# Altium PCB SLAVE.PcbDoc
Units mm, origin at the board's own origin, x right, y up, seen from the top; angles counter-clockwise.
Board outline 65.41 x 68.71 mm, 2 copper layers (Top Layer, Bottom Layer); 53 components, 51 nets, 212 pads, 54 vias.
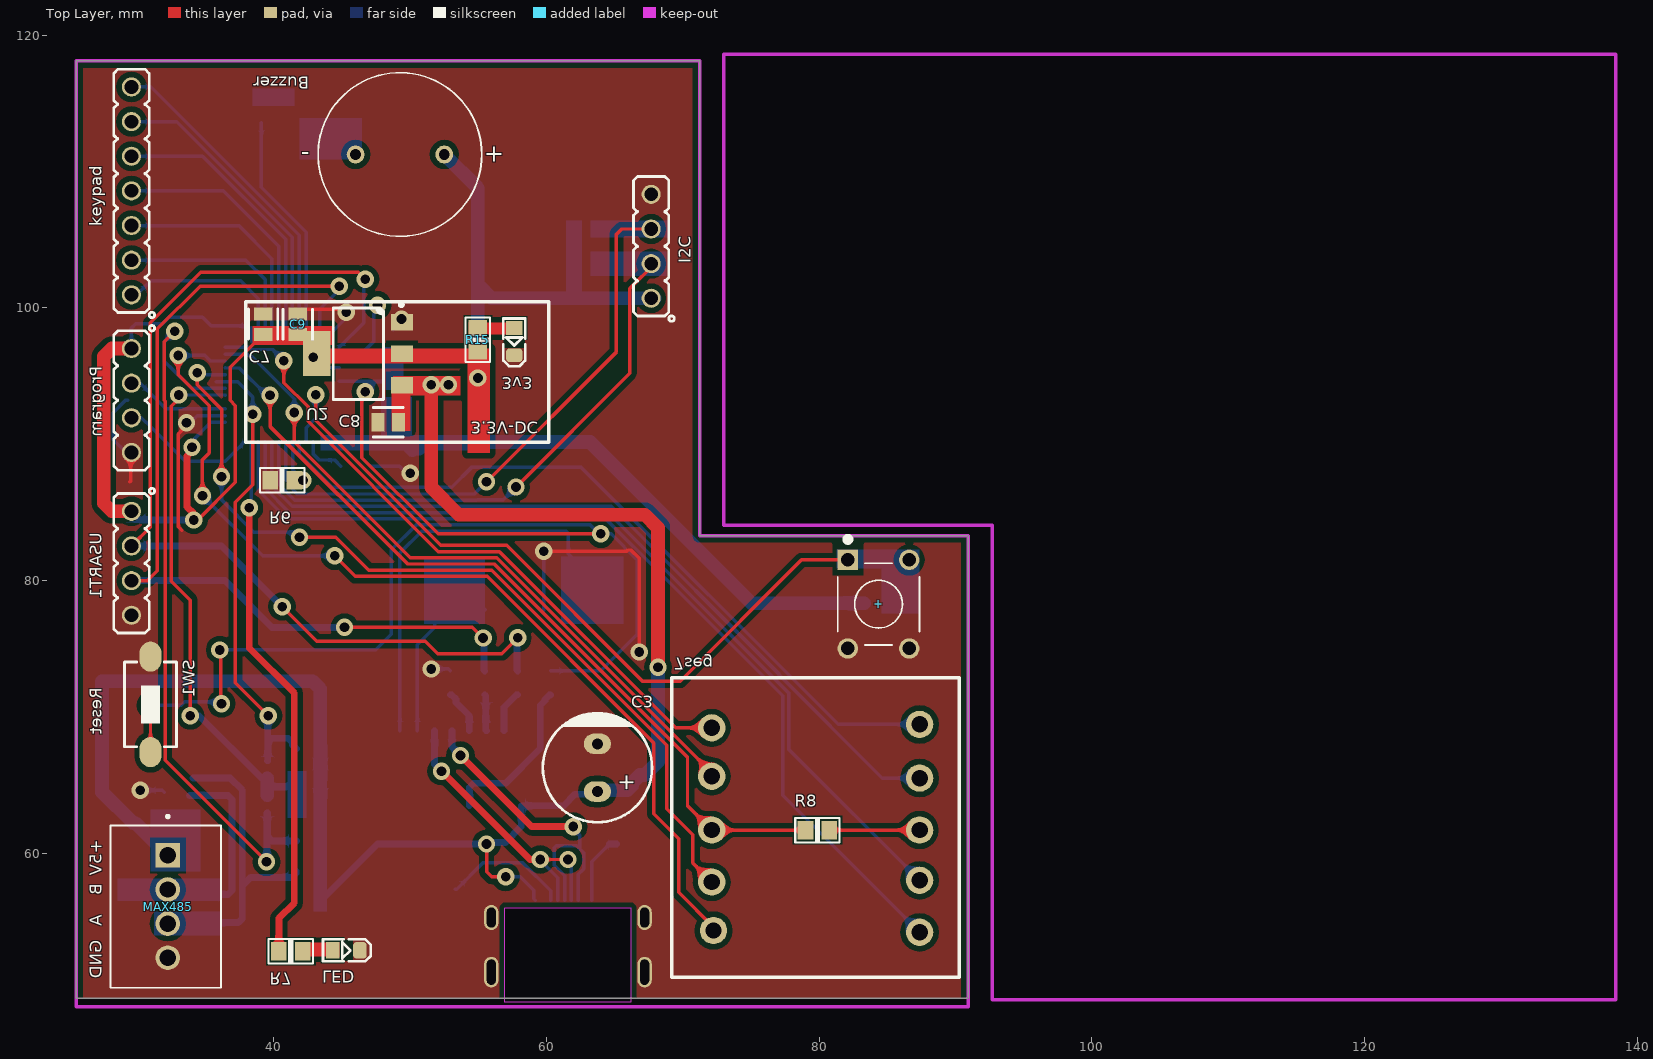
[diagram p0: Top Layer view]
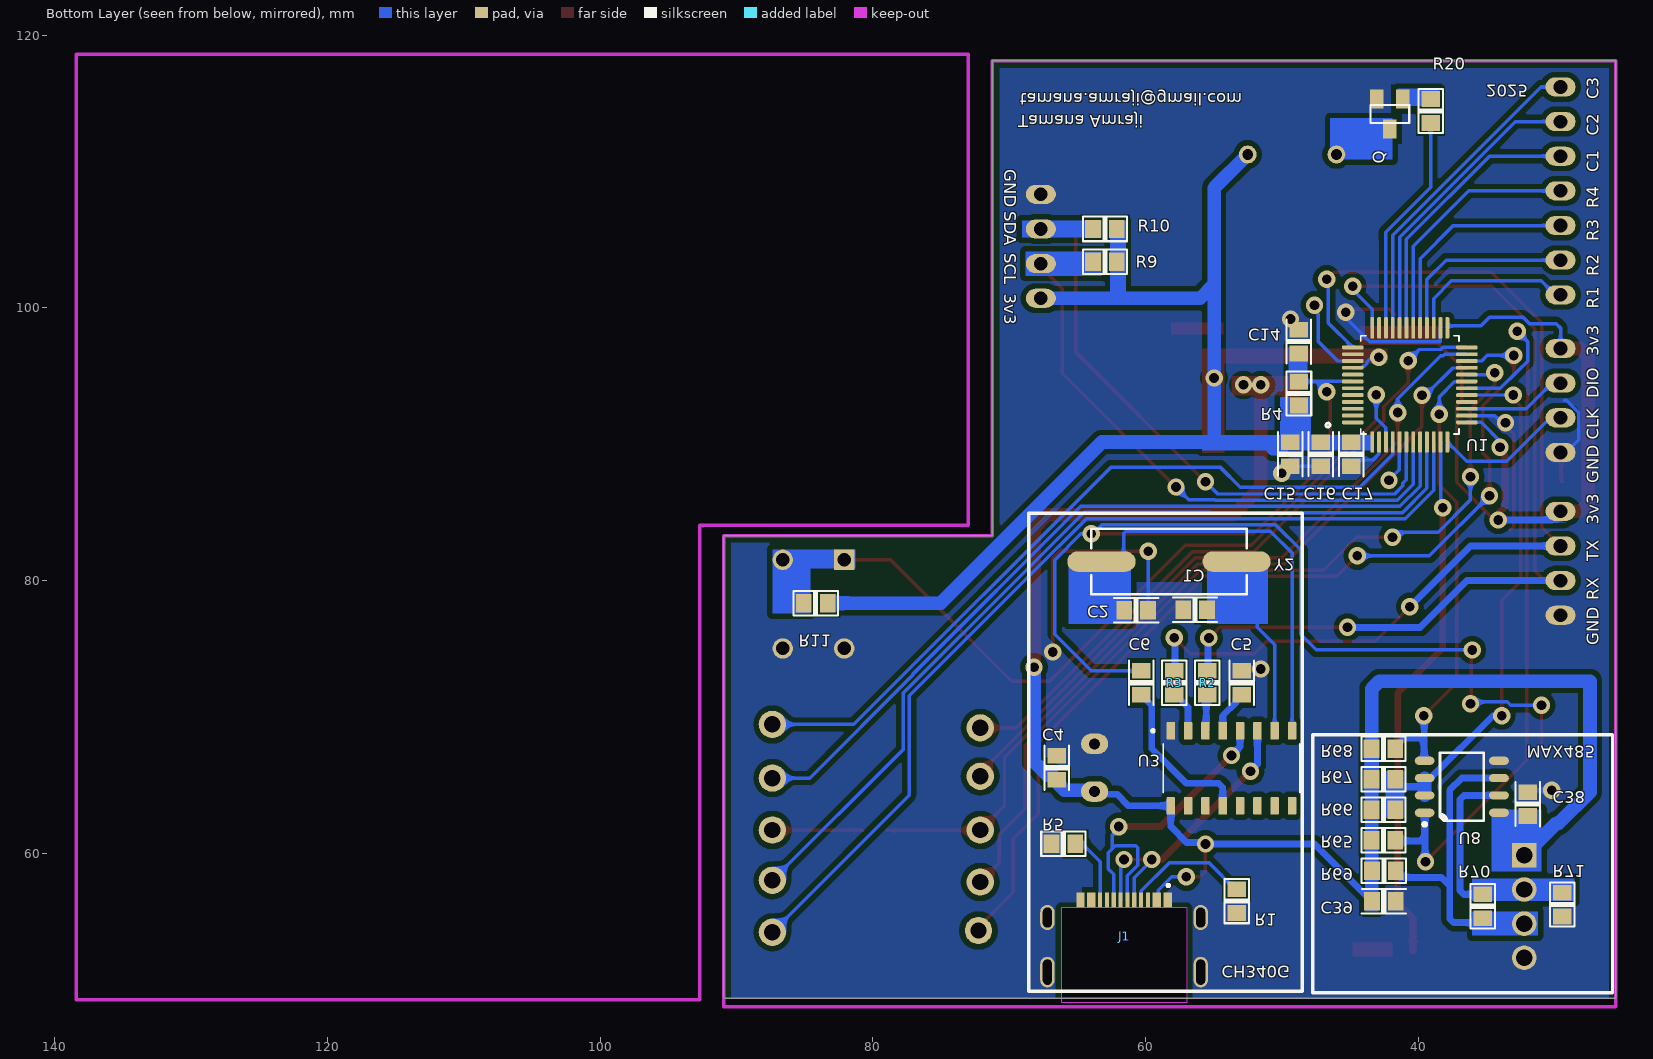
[diagram p1: Bottom Layer view, seen from below]
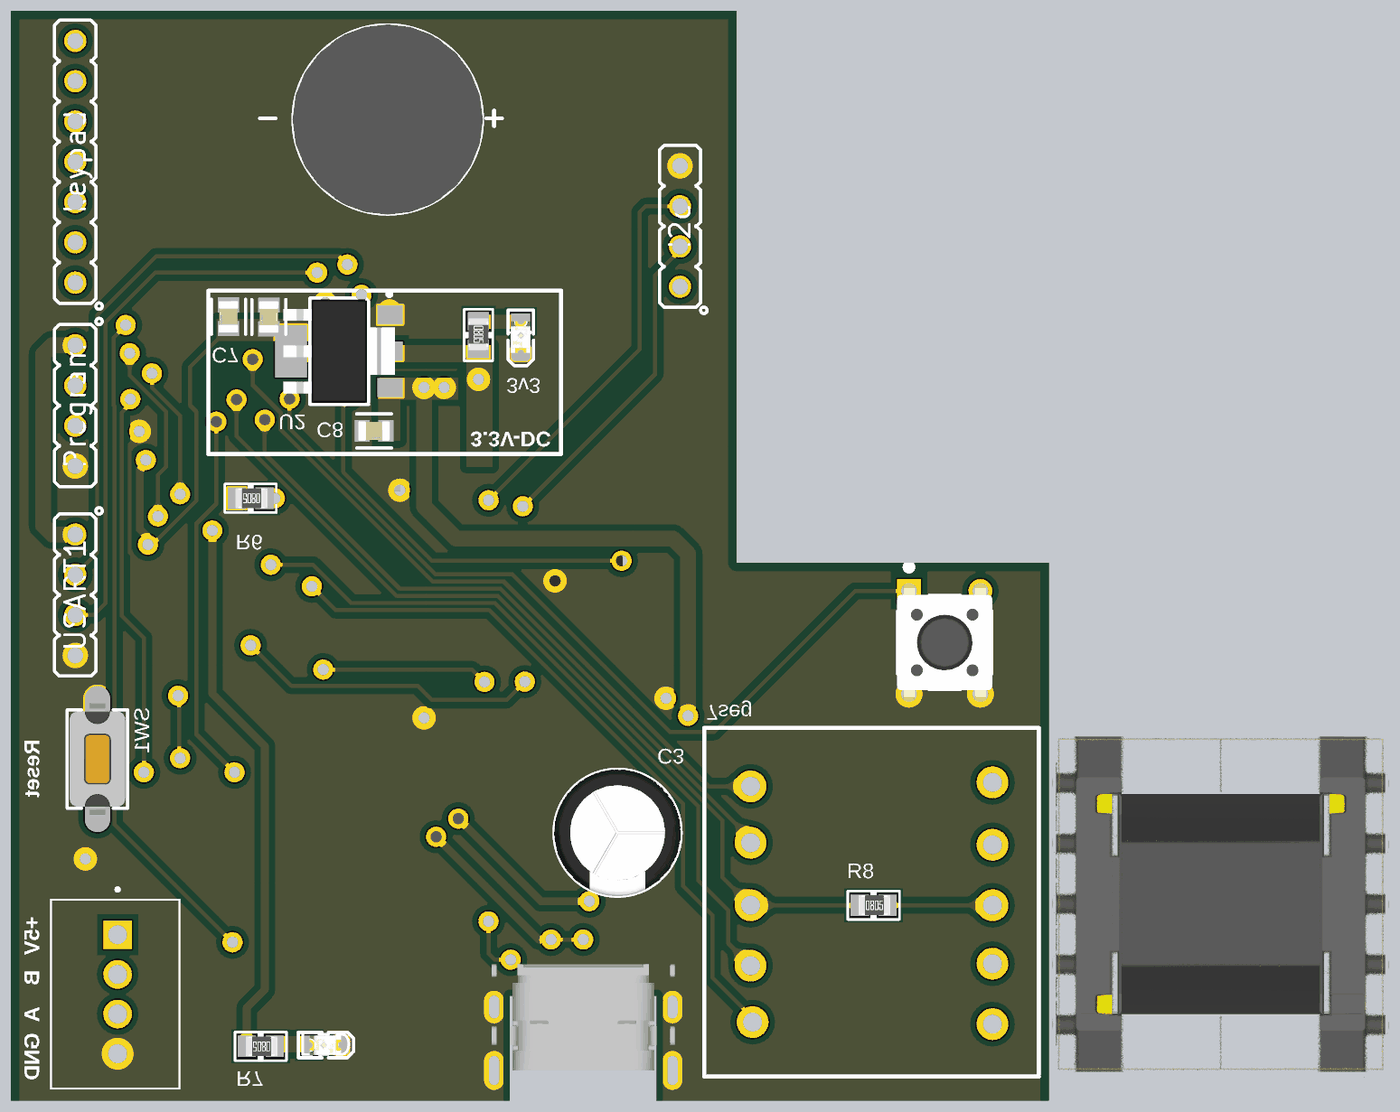
[diagram p2: 3D render of the assembled board from above, using the file's embedded part models]
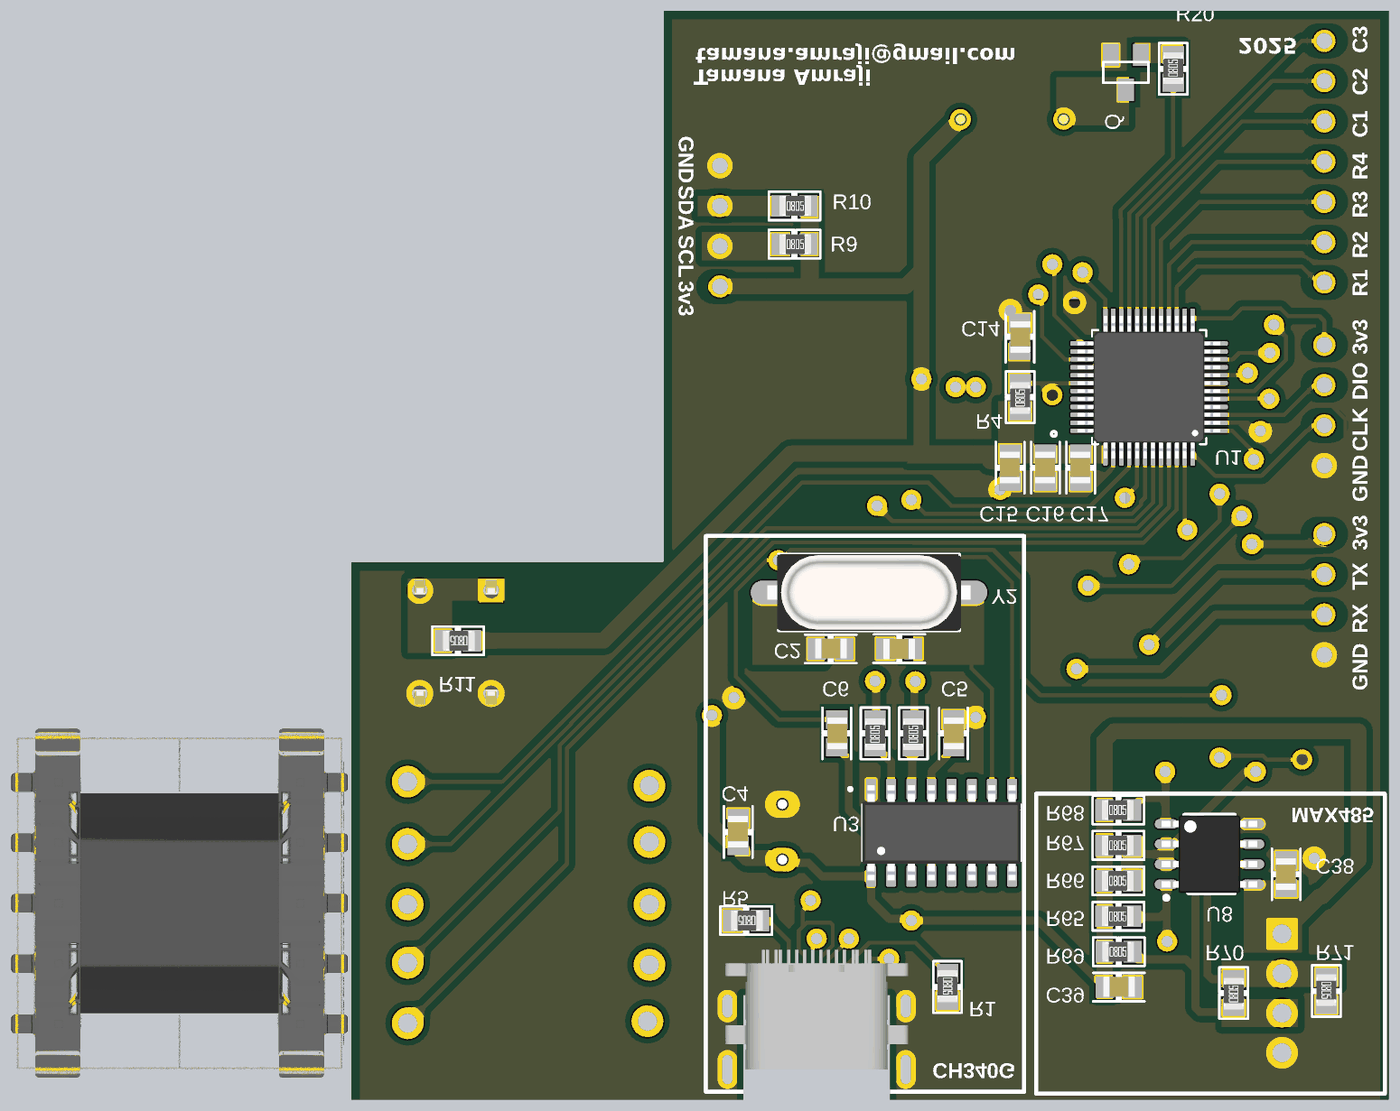
[diagram p3: 3D render of the assembled board from below, using the file's embedded part models]

## Layer stack, top to bottom
Top Solder: solder mask 0.0102, Solder Resist, Dk 3.5
Top Layer: signal copper 0.0356
Dielectric 1: dielectric 0.32, FR-4, Dk 4.8
Bottom Layer: signal copper 0.0356
Bottom Solder: solder mask 0.0102, Solder Resist, Dk 3.5

## Board outline
25.527,118.11 25.527,49.403 90.932,49.403 90.932,83.312 71.247,83.312 71.247,118.11

## Design rules (kind name [scope] priority, off if disabled: settings)
Clearance [All] p1: gap=0.4 ignorepadtopadclearanceinfootprint=TRUE except(0: Arc-Hole Track-Hole SMDPad-Hole THPad-Hole Via-Hole Fill-Hole Poly-Hole Region-Hole Text-Hole; 0.1: Arc-SMDPad Arc-THPad Track-SMDPad Track-THPad SMDPad-SMDPad; 0.2: Arc-Arc Arc-Track Track-Track; 0.254: Arc-Via Arc-Text Track-Via Track-Text SMDPad-THPad SMDPad-Via SMDPad-Text THPad-THPad THPad-Via THPad-Text Via-Via Via-Text Fill-Text Poly-Text Region-Text Text-Text)
HoleSize [All] p1: absolutevalues=TRUE maxlimit=5 minlimit=0.025 maxpercent=80.000 minpercent=20.000
PolygonConnect [All] p1: connectstyle=Direct reliefconductorwidth=0.254 reliefentries=4 polygonreliefangle="90 Angle" airgapwidth=0.254
RoomDefinition CH340G [InComponentClass('CH340G')] p1: confinementstyle=ConfineIn formatcopy=TRUE lockcomponents=FALSE outline 48.006,48.641 48.006,84.963 68.57,84.963 68.57,48.641
RoomDefinition MAX485 [InComponentClass('MAX485')] p2: confinementstyle=ConfineIn formatcopy=TRUE lockcomponents=FALSE outline 46.482,49.379 25.922,49.379 25.922,68.782 46.482,68.782
RoomDefinition "Supply 5V to 3V3- Ams1117" [InComponentClass('Supply 5V to 3V3- Ams1117')] p3: confinementstyle=ConfineIn formatcopy=TRUE lockcomponents=FALSE outline 60.325,90.212 37.846,90.212 37.846,100.626 60.325,100.626
RoutingVias [All] p1: holewidth=0.711 width=1.27 viastyle="Through Hole" minholewidth=0.711 minwidth=1.27 maxholewidth=0.711 maxwidth=1.27
SolderMaskExpansion [All] p1: expansion=0.102 istentingtop=FALSE
Width [All] p1: maxlimit=1 minlimit=0.254 preferedwidth=0.5 minimp=50.000000 maximp=50.000000 favimp=50.000000
29 further rules are at their usual default settings.

## Classes and differential pairs
component class Buzzer: Buzzer Q R20
component class "Supply 5V to 3V3- Ams1117": 3v3 C7 C8 C9 R15 U2
component class Micro: 7seg + C14 C15 C16 C17 I2c keypad LED Program R4 R6 R7 R8 R9 R10 R11 SW1 U1 USART1
component class MAX485: C38 C39 MAX485 R65 R66 R67 R68 R69 R70 R71 U8
component class CH340G: C1 C2 C3 C4 C5 C6 J1 R1 R2 R3 R5 U3 Y2

## Components (designator, comment, footprint, x,y, rotation, side; value= is the part's Value field where it differs from the comment)
3v3 "LED SMD 0805 GREEN" LED_0805_GREEN 57.658,97.536 r270 top
7seg "7seg" PCBComponent_1 69.85,72.39 r0 top
+ "FSM8JH" SW_FSM8JH 84.364,78.284 r270 top
Buzzer "CEM-1203(42)" CUI_CEM-1203(42) 49.276,111.252 r180 top
C1 "22pF" "CAP 0805_2012" 56.388,77.851 r0 bottom value=100nF
C2 "22pF" "CAP 0805_2012" 60.706,77.851 r180 bottom value=100nF
C3 "10uF 6.3V" "CAP ALTH D8 L3.5 H12.5" 63.754,66.294 r90 top
C4 "100nF" "CAP 0805_2012" 66.548,66.294 r90 bottom
C5 "100nF" "CAP 0805_2012" 52.959,72.517 r270 bottom
C6 "100nF" "CAP 0805_2012" 60.315,72.517 r270 bottom
C7 "10uF" FP-C0805C-DN-MFG 39.243,98.818 r270 top value="0.22 μF"
C8 "10uF" FP-C0805C-DN-MFG 48.415,91.621 r0 top value="0.22 μF"
C9 "100nF" FP-C0805C-DN-MFG 41.783,98.806 r270 top value="0.22 μF"
C14 "100nF" "CAP 0805_2012" 48.768,97.536 r270 bottom
C15 "100nF" "CAP 0805_2012" 49.403,89.281 r90 bottom
C16 "100nF" "CAP 0805_2012" 44.958,89.281 r90 bottom
C17 "100nF" "CAP 0805_2012" 47.18,89.281 r90 bottom
C38 "10uF" "CAP 0805_2012" 32.004,63.627 r90 bottom value=100nF
C39 "100nF" "CAP 0805_2012" 42.545,56.515 r180 bottom
I2C "HDR1X4" HDR_1X4 67.691,104.521 r90 top value=HDRM4 (schematic designator I2c)
J1 "2340901-1" TE_2340901-1 61.595,51.308 r0 bottom
keypad "HDR1X7" HDR_1X7 29.591,108.585 r90 top value=HDRM7
LED "LED SMD 0805 GREEN" LED_0805_GREEN 45.339,52.907 r0 top
MAX485 "1881574" PHOENIX_1881574 36.158,62.064 r270 top
Program "HDR1X4" HDR_1X4 29.591,93.218 r270 top value=HDRM4
Q "MMBT2222A" SOT23 42.103,114.216 r0 bottom
R1 "5.1K" "RES 0805_2012" 53.34,56.515 r90 bottom value=1K
R2 "1K" "RES 0805_2012" 55.499,72.517 r270 bottom
R3 "1K" "RES 0805_2012" 57.912,72.517 r270 bottom
R4 "10K" "RES 0805_2012" 48.768,93.726 r270 bottom value=1K
R5 "5.1K" "RES 0805_2012" 66.04,60.706 r180 bottom value=1K
R6 "10K" "RES 0805_2012" 40.64,87.376 r0 top value=1K
R7 "330" "RES 0805_2012" 41.275,52.832 r0 top value=1K
R8 "330" "RES 0805_2012" 79.883,61.722 r0 top value=1K
R9 "10K" "RES 0805_2012" 62.992,103.378 r180 bottom value=1K
R10 "10K" "RES 0805_2012" 62.992,105.791 r180 bottom value=1K
R11 "10K" "RES 0805_2012" 84.201,78.359 r180 bottom value=1K
R15 "330" "RES 0805_2012" 54.991,97.663 r90 top value=1K
R20 "10K" "RES 0805_2012" 39.116,114.441 r90 bottom value=1K
R65 "10k" "RES 0805_2012" 42.573,60.975 r0 bottom value=1K
R66 "10k" "RES 0805_2012" 42.573,63.211 r0 bottom value=1K
R67 "10k" "RES 0805_2012" 42.573,65.446 r0 bottom value=1K
R68 "10k" "RES 0805_2012" 42.573,67.681 r0 bottom value=1K
R69 "20k" "RES 0805_2012" 42.545,58.74 r0 bottom value=1K
R70 "120" "RES 0805_2012" 35.306,56.134 r270 bottom value=1K
R71 "20k" "RES 0805_2012" 29.464,56.261 r90 bottom value=1K
SW1 "Tactile 2PIN 6X3.5mm H4.57mm (SMD)" SWPBS_SPST_6X3X5 30.988,70.937 r270 top
U1 "STM32F103C8T6" QFP50P900X900X160-48N 40.64,94.361 r180 bottom
U2 "LD1117-3.3V" "SOT-223-4 6.5X7MM P2.3MM" 46.228,96.647 r180 top
U3 "CH340G" SOIC127P600X180-16N 53.721,66.25 r270 bottom
U8 "ADM485" "SOIC-8 4.9X3.9MM P1.27MM" 36.83,64.897 r180 bottom
USART1 "HDR1X4" HDR_1X4 29.591,81.28 r270 top value=HDRM4
Y2 "12MHz" "HC-49S SMD" 58.293,81.407 r180 bottom

## Footprints (in the part's own frame and the unit in brackets; to place one, negate y for a bottom-side part, rotate by r counter-clockwise, add the part's x,y. Pads: shape width x height; smd on the part's side, far side on the other; paste and mask are expansions set on the pad)
"CAP 0805_2012" [mm] "Chip Capacitor, 2-Leads, Body 2.00x1.20mm, IPC Medium Density"
  rect 1.15x1.35 smd: 1(-0.875,-0.01) 2(0.875,-0.01)
  silkscreen extent -1.62,-0.91 1.63,0.89, body extent -0.99,-0.62 1.01,0.65, height 1.26
"CAP ALTH D8 L3.5 H12.5" [mm] "8MM Diameter, 3.5MM Lead Spacing Aluminium Capacitor"
  oval 1.5x2 hole 0.8: 1(-1.75,0) 2(1.75,0)
  silkscreen extent -4,-4 4,4, body extent -4,-4 4,4, height 11.5
CUI_CEM-1203(42) [mm]
  round 1.308 hole 0.8: N(3.25,0) P(-3.25,0)
  silkscreen extent -6,-6 6,6, body extent -6,-6 6,6, height 8.5
FP-C0805C-DN-MFG [mm]
  rect 0.95x1.35 smd paste+0 mask+0: 1(-0.75,0) 2(0.75,0)
  silkscreen extent -1.1,-1.07 1.1,1.07, body extent -1,-0.63 1,0.63, height 0.88
"HC-49S SMD" [mm] "SMD crystal resonator, ABL, ABLS, HC-49, HC49 11X4.5MM"
  oval 5x1.5 smd: 1(-4.953,0) 2(4.953,0)
  Top Layer pour cut-out: -5.715,-1.524 5.715,-1.524 5.715,1.778 5.588,1.651 -5.715,1.651
  silkscreen extent -5.7,-2.4 5.7,2.4, body extent -6.4,-2.41 6.4,2.42, height 4.3
HDR_1X4 [mm] "Connector; Header; 4 Position"
  round 1.4 / inner round 1.4 / far side oval 1.4x2.2 hole 1 mask+0.1: 1(-3.81,0) 2(-1.27,0) 3(1.27,0) 4(3.81,0)
  silkscreen extent -5.5,-1.7 5.11,1.3
HDR_1X7 [mm] "Connector; Header; 7 Position"
  round 1.4 / inner round 1.4 / far side oval 1.4x2.2 hole 1 mask+0.1: 1(-7.62,0) 2(-5.08,0) 3(-2.54,0) 4(0,0) 5(2.54,0) 6(5.08,0) 7(7.62,0)
  silkscreen extent -9.3,-1.7 8.92,1.3
LED_0805_GREEN [mm] "LED SMD 0805, GREEN"
  rect 1x1.2 smd mask+0.075: 1(-1,0)
  rrect50% 1x1.2 smd mask+0.075: 2(1,0)
  Top Layer pour cut-out: -0.5,-0.8 0.5,-0.8 0.5,0.8 -0.5,0.8
  silkscreen extent -1.7,-0.8 1.8,0.8, body extent -1,-0.63 1,0.63, height 0.7
PCBComponent_1 [mm]
  round 2 hole 1.2: 1(2.413,-18.034) 2(2.286,-14.478) 3(2.286,-10.668) 4(2.286,-6.731) 5(2.286,-3.175) 6(17.526,-2.921) 7(17.526,-6.858) 8(17.526,-10.668) 9(17.526,-14.351) 10(17.526,-18.161)
  silkscreen extent -0.64,-21.46 20.45,0.51, body extent 21.3,-21.59 42.52,0.41, height 16.61
PHOENIX_1881574 [mm]
  rect 1.8x1.8 / inner round 1.8 / far side rect 1.8x1.8 hole 1.2: 01(2.2,-3.9)
  round 1.8 hole 1.2: 02(4.7,-3.9) 03(7.2,-3.9) 04(9.7,-3.9)
  silkscreen extent -0.75,-8.1 11.9,0
QFP50P900X900X160-48N [mm]
  rrect50% 1.56x0.28 smd: 1(-4.18,-2.75) 2(-4.18,-2.25) 3(-4.18,-1.75) 4(-4.18,-1.25) 5(-4.18,-0.75) 6(-4.18,-0.25) 7(-4.18,0.25) 8(-4.18,0.75) 9(-4.18,1.25) 10(-4.18,1.75) 11(-4.18,2.25) 12(-4.18,2.75) 25(4.18,2.75) 26(4.18,2.25) 27(4.18,1.75) 28(4.18,1.25) 29(4.18,0.75) 30(4.18,0.25) 31(4.18,-0.25) 32(4.18,-0.75) 33(4.18,-1.25) 34(4.18,-1.75) 35(4.18,-2.25) 36(4.18,-2.75)
  rrect50% 0.28x1.56 smd: 13(-2.75,4.18) 14(-2.25,4.18) 15(-1.75,4.18) 16(-1.25,4.18) 17(-0.75,4.18) 18(-0.25,4.18) 19(0.25,4.18) 20(0.75,4.18) 21(1.25,4.18) 22(1.75,4.18) 23(2.25,4.18) 24(2.75,4.18) 37(2.75,-4.18) 38(2.25,-4.18) 39(1.75,-4.18) 40(1.25,-4.18) 41(0.75,-4.18) 42(0.25,-4.18) 43(-0.25,-4.18) 44(-0.75,-4.18) 45(-1.25,-4.18) 46(-1.75,-4.18) 47(-2.25,-4.18) 48(-2.75,-4.18)
  silkscreen extent -6.15,-3.6 3.6,3.6, body extent -4.5,-4.5 4.5,4.5, height 1.6
"RES 0805_2012" [mm] "Chip Resistor, 2-Leads, Body 2.00x1.25mm, IPC Medium Density"
  rect 1.15x1.35 smd: 1(-0.875,0) 2(0.875,0)
  silkscreen extent -1.62,-0.9 1.63,0.9, body extent -0.95,-0.63 1.05,0.62, height 0.6
SOIC127P600X180-16N [mm]
  rrect25% 1.31x0.62 smd: 1(-2.75,-4.445) 2(-2.75,-3.175) 3(-2.75,-1.905) 4(-2.75,-0.635) 5(-2.75,0.635) 6(-2.75,1.905) 7(-2.75,3.175) 8(-2.75,4.445) 9(2.75,4.445) 10(2.75,3.175) 11(2.75,1.905) 12(2.75,0.635) 13(2.75,-0.635) 14(2.75,-1.905) 15(2.75,-3.175) 16(2.75,-4.445)
  silkscreen extent -2.85,-5.85 1.78,5, body extent -3,-5 3,5, height 1.8
"SOIC-8 4.9X3.9MM P1.27MM" [mm] "SOIC, 8-Leads, Body 4.90x3.90mm, Pitch 1.27mm, IPC Medium Density"
  oval 1.45x0.6 smd: 1(-2.725,-1.905) 2(-2.725,-0.635) 3(-2.725,0.635) 4(-2.725,1.905) 5(2.725,1.905) 6(2.725,0.635) 7(2.725,-0.635) 8(2.725,-1.905)
  silkscreen extent -2.85,-2.88 1.6,2.5, body extent -3.01,-2.45 3.01,2.45, height 1.5
SOT23 [mm]
  rect 1x1.4 smd: 1(-0.95,-1.1) 2(0.95,-1.1) 3(0,1.1)
  silkscreen extent -1.42,-0.66 1.42,0.66
"SOT-223-4 6.5X7MM P2.3MM" [mm] "SOT223, 4-Leads, Body 6.50x7.00mm (avg), Pitch 2.30mm, IPC Medium Density"
  rect 1.6x1.2 smd: 1(-3.2,-2.3) 2(-3.2,0) 3(-3.2,2.3)
  rect 2x3.3 smd: 4(3.048,0)
  silkscreen extent -3.27,-3.72 1.85,3.35, body extent -3.5,-3.25 3.52,3.25, height 1.8
SW_FSM8JH [mm]
  rect 1.498x1.498 / inner round 1.498 / far side rect 1.498x1.498 hole 0.99: 1(-3.25,-2.25)
  round 1.498 hole 0.99: 2(-3.25,2.25) 3(3.25,-2.25) 4(3.25,2.25)
  silkscreen extent -4.95,-3 3,3, body extent -3.95,-3 3.95,3, height 9.5
SWPBS_SPST_6X3X5 [mm] "SWITCH, PUSHBUTTON, SMD, SPST, 6X3.5mm, SKQMBBE010, 50000 Cycles, 1.57N Force"
  oval 2.2x1.6 smd mask+0.1: 1(-3.5,0) 2(3.5,0)
  silkscreen extent -3.1,-1.9 3.1,1.9, body extent -3.65,-1.75 3.65,1.75, height 5
TE_2340901-1 [mm]
  rect 0.6x1.15 smd: A1/B12(-3.2,-5.275) A4/B9(-2.4,-5.275) B1/A12(3.2,-5.275) B4/AP(2.4,-5.275)
  rect 0.3x1.15 smd: A5(-1.25,-5.275) A6(-0.25,-5.275) A7(0.25,-5.275) A8(1.25,-5.275) B5(1.75,-5.275) B6(0.75,-5.275) B7(-0.75,-5.275) B8(-1.75,-5.275)
  oval 1.05x1.85 hole 0.65 slot 1.45 at 90 deg: SH1(-5.62,-4) SH2(5.62,-4)
  oval 1.05x2.25 hole 0.65 slot 1.85 at 90 deg: SH3(-5.62,0) SH4(5.62,0)
  Keep-Out Layer board cut-out: -4.62,2.2 -4.62,-4.7 4.62,-4.7 4.62,2.2
  silkscreen extent -3.35,-6.45 -3.15,-6.25, body extent -5.77,-7.55 5.77,0, height 1.58

## Part data
7seg: "file:///C:/Users/Tamana/Downloads/7SEG-12-19mm-GREEN-ANOD.pdf"
+: "Tactile Switch SPST-NO Top Actuated Through Hole", Package=None, Availability="In Stock", Check_prices=https://www.snapeda.com/parts/FSM8JH/TE+Connectivity+ALCOSWITCH+Switches/view-part/?ref=eda, MF="TE Connectivity", MP=FSM8JH, Price=None, SnapEDA_Link=https://www.snapeda.com/parts/FSM8JH/TE+Connectivity+ALCOSWITCH+Switches/view-part/?ref=snap
Buzzer: "12 mm, 3.5 V, 85 dB, Through Hole, Magnetic Audio Transducer Buzzer", Package=None, Availability="In Stock", Check_prices=https://www.snapeda.com/parts/CEM-1203(42)/CUI+Devices/view-part/?ref=eda, CUI_purchase_URL=https://www.cuidevices.com/product/audio/buzzers/audio-transducers/cem-1203(42)?utm_source=snapeda.com&utm_medium=referral&utm_campaign=snapedaBOM, MF="CUI Devices", MP=CEM-1203(42), Price=None, Purchase-URL=https://pricing.snapeda.com/search/part/CEM-1203(42)/?ref=eda, SnapEDA_Link=https://www.snapeda.com/parts/CEM-1203(42)/CUI+Devices/view-part/?ref=snap
C1 C2 C4 C5 C6 C14 C15 C16 C17 C38 C39: library part "Cap 0805", "SMT Capacitor"
C3: library part "Cap Alu TH D8mm L3.5mm H12.5mm", "TH Aluminum Polymer Capacitor"
C7 C8 C9: library part CMP-1036-04552-2, "CAP CER 0.22UF 50V X7R 0805", Capacitance="0.22 μF", Manufacturer=KEMET, Manufacturer Part Number=C0805C224K5RACTU, Package=C0805C-DN, Temperature="-55°C to +125°C", Temperature Characteristic=X7R, Temperature Coefficient=30ppm/°C, Temperature Range High=+125°C, Temperature Range Low=-55°C, Tolerance=0.1, Voltage Rating="50 V", Automotive=No, Category=Cap, ComponentLink2Description=Datasheet, ComponentLink2URL=https://content.kemet.com/datasheets/KEM_C1003_C0G_SMD.pdf, Device Class L1="Passive Components", Device Class L2=Capacitors, Device Class L3="Ceramic Capacitors", Digikey Description="CAP CER 0.22UF 50V X7R 0805", Height=0.88mm, Ipc Land Pattern Name=CAPC200125X78, Lead Free=Yes, Material=Ceramic, Mouser Description="CAP CER 0.22UF 50V X7R 0805", Octopart=https://octopart.com/c0805c224k5ractu-kemet-144670, RoHS=TRUE
I2C Program USART1: library part HDR_1X4, "CONN, HEADER, Male, pitch: 2.54mm, 4POS"
J1: "USB Type C 2.0 Conn Rec Mid-Mount One Ro", Package=None, Check_prices=https://www.snapeda.com/parts/2340901-1/TE+Connectivity/view-part/?ref=eda, MF="TE Connectivity", MP=2340901-1, SnapEDA_Link=https://www.snapeda.com/parts/2340901-1/TE+Connectivity/view-part/?ref=snap
keypad: library part HDR_1X7, "CONN, HEADER, Male, pitch: 2.54mm, 7POS"
MAX485: Package=None, Availability=Unavailable, MF="{'manufacturer': u'Phoenix Contact'}", MP=1881574, Price=None
Q: "Bipolar _BJT_ Transistor NPN 40V 600mA 270MHz 350mW Surface Mount SOT-23-3", Package="TO-236-3 Taitron", Availability=Unavailable, MF=STMicroelectronics, MP=MMBT2222A, Price=None, SnapEDA_Link=https://www.snapeda.com/parts/MMBT2222A/STMicroelectronics/view-part/1642048/?ref=snap
R1 R2 R3 R4 R5 R6 R7 R8 R9 R10 R11 R15 R20 R65 R66 R67 R68 R69 R70 R71: library part "Res 0805", "SMT Resistor"
SW1: "Tactile Switch SPST-NO Top Actuated Surface Mount", PartNumber=FSMSMTR-ND
U1: "ARM® Cortex®-M3 STM32F1 Microcontroller IC 32-Bit 72MHz 64KB (64K x 8) FLASH 48-LQFP (7x7)", Package="LQFP-48 STMicroelectronics", Check_prices=https://www.snapeda.com/parts/STM32F103C8T6/STMicroelectronics/view-part/?ref=eda, MF=STMicroelectronics, MP=STM32F103C8T6, SnapEDA_Link=https://www.snapeda.com/parts/STM32F103C8T6/STMicroelectronics/view-part/?ref=snap
U2: library part "LD1117-3.3V (SMD SOT-223)", "Linear Voltage Regulator IC  1 Output  800mA SOT-223", PartNumber=LD1117S33CTR
U3: "USB Interface Integrated Circuit", Package=None, Availability="Not in stock", Check_prices=https://www.snapeda.com/parts/Ch340G/WCH/view-part/?ref=eda, MF=WCH, MP=Ch340G, Price=None, SnapEDA_Link=https://www.snapeda.com/parts/Ch340G/WCH/view-part/?ref=snap
U8: library part "ADM485 (SMD)", "RS485 Interface", PartNumber=ADM4853ARZ-REEL7
Y2: library part "Crystal HC-49S SMD 8MHz", "SMT Crystal", PartNumber=ABLS-8.000MHZ-K4T

## Via types
v1: diameter 1.27, hole 0.711, Top Layer to Bottom Layer, 54 vias

## Nets (pads, with @x,y where several pads share a name; then routed paths per layer and width w, separated by ;. In a path a pad name is that pad's centre, name@x,y a point inside that pad or via, vN(x,y) a via of type N, cw(c..) or ccw(c..) an arc to the next point about the centre after c; other vN are vias at no path point)
3v3: Buzzer.P C7.2 C9.2 C15.2 C16.2 C17.2 I2C.1 Program.1 R4.2 R9.2 R10.2 R11.2 R15.1 U1.9 U1.24 U1.36 U1.48 U2.2 U2.4 USART1.1 | length 136.8
  Top Layer w0.254: v1(34.163,84.455) 34.457,84.455 37.211,87.209 37.211,92.844 36.83,93.225 36.83,95.655 38.695,97.52 38.695,97.72 39.043,98.068 C7.2
  Top Layer w0.5: v1(34.036,89.789) 34.036,89.535 33.659,89.158 33.659,85.421 34.163,84.917 v1(34.163,84.455)
  Top Layer w1: USART1.1 28.145,85.09 27.559,85.676 27.559,96.442 28.145,97.028 Program.1 ; v1(54.991,94.869) 55.023,94.901 R15.1@55.023,96.756
  Bottom Layer w0.254: Program.1 29.591,98.53 29.899,98.838 31.869,98.838 32.345,99.314 34.798,99.314 35.425,98.687 37.877,98.687 37.89,98.674 U1.24 ; v1(34.036,89.789) 34.036,90.246 35.401,91.611 U1.36 ; v1(42.926,96.393) 42.993,96.46 42.993,96.758 43.031,96.796 43.813,96.014 43.813,95.918 43.987,95.744 44.047,95.744 44.18,95.611 U1.9
  Bottom Layer w0.5: USART1.1 30.226,84.455 v1(34.163,84.455)
  Bottom Layer w1: C15.2@49.657,90.106 49.721,90.17 50.154,90.17 50.668,90.17 54.92,90.17 63.219,90.17 75.03,78.359 R11.2 ; C15.2@49.682,90.081 50.182,89.581 ; C15.2@49.76,90.081 50.154,89.687 50.668,89.687 ; Buzzer.P 54.991,108.787 54.991,101.727 ; 54.92,90.106 54.991,90.178 v1(54.991,94.869) 54.991,101.727 ; I2C.1@67.945,100.711 56.007,100.711 54.991,101.727
+5: J1.B4/AP
a: 7seg.7 U1.41 | length 59.6
  Bottom Layer w0.254: U1.41 39.89,86.929 41.367,85.452 55.113,85.452 55.132,85.471 64.763,85.471 77.069,73.165 77.069,73.113 84.65,65.532 7seg.7
b: 7seg.6 U1.45 | length 55.8
  Bottom Layer w0.254: U1.45 41.903,90.168 41.903,89.288 44.323,86.868 53.086,86.868 54.556,88.338 62.538,88.338 81.407,69.469 7seg.6
c: 7seg.4 U1.26 | length 50.5
  Top Layer w0.254: v1(41.529,92.329) 41.529,90.177 50.022,81.684 56.386,81.684 72.136,65.934 7seg.4
  Bottom Layer w0.254: U1.26 38.066,96.611 38.176,96.501 38.38,96.501 41.529,93.352 v1(41.529,92.329)
C1: keypad.5 U1.18 | length 20.3
  Bottom Layer w0.254: keypad.5 34.798,111.125 40.89,105.033 U1.18
C2: keypad.6 U1.17 | length 21.9
  Bottom Layer w0.254: keypad.6 32.9,113.665 41.39,105.175 U1.17
C3: keypad.7 U1.16 | length 23.6
  Bottom Layer w0.254: keypad.7 31.002,116.205 41.89,105.317 U1.16
com: 7seg.3 R8.1 U1.28 | length 60
  Top Layer w0.254: v1(39.751,93.599) 39.751,91.313 49.834,81.23 56.198,81.23 70.358,67.07 70.358,63.5 7seg.3 R8.1
  Bottom Layer w0.254: U1.28 36.473,95.598 37.498,95.598 39.497,93.599 v1(39.751,93.599)
d: 7seg.2 U1.29 | length 63.6
  Top Layer w0.254: v1(34.417,95.25) 34.417,94.361 36.195,92.583 v1(36.195,87.63) ; v1(41.91,83.185) 44.57,83.185 46.979,80.776 56.01,80.776 68.834,67.952 68.834,63.289 70.739,61.384 70.739,59.309 7seg.2
  Bottom Layer w0.254: v1(34.417,95.25) 34.548,95.119 36.452,95.119 U1.29 ; v1(36.195,87.63) 36.195,85.939 38.568,83.566 41.529,83.566 v1(41.91,83.185)
D+: J1.A6 J1.B6 U3.5 | length 24.6
  Top Layer w0.5: v1(53.721,67.183) 58.928,61.976 v1(61.976,61.976)
  Bottom Layer w0.254: J1.A6 61.345,58.376 60.579,59.142 60.579,60.43 60.728,60.579 62.218,60.579 62.375,60.422 62.738,60.059 62.738,58.869 62.345,58.476 J1.B6 ; v1(61.976,61.976) 61.976,61.806 62.462,61.319 62.462,60.335
  Bottom Layer w0.5: U3.5 53.086,67.832 53.721,67.197 v1(53.721,67.183)
D-: J1.A7 J1.B7 U3.6 | length 21.7
  Top Layer w0.254: v1(59.563,59.563) v1(61.595,59.563)
  Top Layer w0.5: v1(52.324,66.04) 58.801,59.563 v1(59.563,59.563)
  Bottom Layer w0.254: v1(59.563,59.563) 59.563,59.516 60.845,58.234 J1.B7 ; v1(61.595,59.563) 61.595,59.288 61.845,59.038 J1.A7
  Bottom Layer w0.5: U3.6 51.816,66.548 v1(52.324,66.04)
DP: 7seg.5 U1.25 | length 48.8
  Top Layer w0.254: v1(40.767,96.139) 40.767,94.528 42.545,92.75 42.545,91.68 52.087,82.138 56.574,82.138 69.497,69.215 7seg.5
  Bottom Layer w0.254: U1.25 38.208,97.111 38.364,96.955 39.951,96.955 v1(40.767,96.139)
e: 7seg.1 U1.27 | length 71.2
  Top Layer w0.254: v1(33.02,96.52) 33.02,95.116 35.306,92.83 35.306,89.368 34.798,88.86 v1(34.798,86.233) ; v1(44.49,81.828) 45.996,80.322 55.673,80.322 67.891,68.105 67.891,62.919 69.723,61.087 69.723,57.15 72.263,54.61 7seg.1
  Bottom Layer w0.254: v1(33.02,96.52) 34.956,96.52 35.365,96.111 U1.27 ; v1(34.798,86.233) 39.203,81.828 v1(44.49,81.828)
f: 7seg.9 U1.40 | length 65.7
  Bottom Layer w0.254: U1.40 39.39,86.787 41.179,84.998 55.301,84.998 55.32,85.017 64.523,85.017 69.034,80.506 77.797,71.743 77.797,67.618 7seg.9
g: 7seg.10 U1.39 | length 69.7
  Bottom Layer w0.254: U1.39 38.89,86.645 40.991,84.544 55.489,84.544 55.508,84.563 64.335,84.563 68.58,80.318 77.343,71.555 77.343,64.262 7seg.10
GND: 3v3.2 +.3 +.4 C1.2 C2.2 C3.2 C4.2 C5.1 C7.1 C8.1 C9.1 C14.1 C15.1 C16.1 C17.1 C38.2 C39.2 I2C.4 J1.A1/B12 J1.B1/A12 J1.SH1 J1.SH2 J1.SH3 J1.SH4 LED.2 MAX485.04 Program.4 Q.2 R1.1 R5.1 R6.1 R71.1 SW1.1 U1.23 U1.35 U1.47 U2.1 U3.1 U8.5 USART1.4 | length 60.7
  Top Layer w0.254: 29.464,87.249 29.527,87.312 29.527,89.344 Program.4 ; 33.274,83.693 33.02,83.947 33.02,90.761 33.623,91.364 v1(33.623,91.595) ; C9.1 42.131,99.904 45.13,99.904 v1(45.339,99.695) ; v1(59.817,82.169) 65.913,82.169 65.998,82.254 66.209,82.254 66.81,81.653 v1(66.81,74.771)
  Bottom Layer w0.254: 29.337,93.218 29.15,93.218 28.264,92.332 28.264,90.335 29.191,89.408 Program.4 ; v1(30.226,64.643) 31.853,64.643 C38.2 ; v1(33.623,91.595) 33.898,91.595 34.414,92.111 U1.35 ; U1.23 38.403,98.528 38.403,97.558 38.427,97.534 43.583,97.534 45.339,99.29 v1(45.339,99.695) ; U1.47 42.903,90.168 42.903,89.321 43.37,88.854 44.5,88.854 C16.1 ; C17.1 49.241,88.406 49.763,87.884 v1(50.038,87.884) ; C14.1 49.384,99.017 v1(49.384,99.187) ; v1(51.562,73.533) 52.828,73.533 C5.1 ; v1(59.817,82.169) 59.817,77.855 C2.2
INC: +.1 +.2 R11.1 U1.46 | length 56.2
  Top Layer w0.254: v1(43.093,93.639) 43.093,91.774 52.275,82.592 57.108,82.592 67.056,72.644 69.829,72.644 78.719,81.534 +.1
  Bottom Layer w0.254: U1.46 42.403,90.194 42.403,91.232 43.093,91.922 v1(43.093,93.639)
LED: R7.1 U1.38 | length 39.3
  Top Layer w0.5: v1(38.227,85.344) 38.227,75.057 41.529,71.755 41.529,56.388 40.4,55.259 R7.1
  Bottom Layer w0.254: v1(38.227,85.344) 38.377,85.494 38.377,90.168 U1.38
Net3v3_1: 3v3.1 R15.2
Net7seg_8: 7seg.8 R8.2 | length 6.6
  Top Layer w0.254: R8.2 7seg.8
NetBuzzer_N: Buzzer.N Q.3
NetC3_1: C3.1 C4.1 C8.2 C38.1 C39.1 J1.A4/B9 MAX485.01 R65.2 R66.2 R67.2 R68.2 R69.2 U2.3 U3.16 U8.8 | length 118.6
  Top Layer w0.254: v1(55.626,60.706) 55.626,58.674 56.007,58.293 v1(57.023,58.293)
  Top Layer w1: v1(51.562,94.361) 51.562,86.868 53.594,84.836 67.232,84.836 68.199,83.869 v1(68.199,73.66)
  Bottom Layer w0.254: v1(57.023,58.293) 58.099,58.293 59.076,57.316 59.076,56.702 J1.A4/B9
  Bottom Layer w0.5: C39.1 43.42,56.605 43.745,56.93 43.845,56.93 47.621,60.706 v1(55.626,60.706) 55.741,60.821 57.011,60.821 58.166,61.976 U3.16 61.258,63.5 62.11,64.353 63.563,64.353 C3.1
  Bottom Layer w1: MAX485.01 29.892,62.23 29.718,62.23 27.432,64.516 27.432,72.644 42.859,72.644 43.445,72.058 43.445,67.856 43.448,67.853 43.448,65.449 43.445,65.446 43.445,64.008 ; C3.1 63.85,64.64 65.959,64.64 66.294,64.975 66.294,65.175 C4.1 66.879,65.76 67.228,65.76 68.199,66.731 v1(68.199,73.66)
  other v1: 52.832,94.361
NetC5_2: C5.2 U3.4 | length 3.3
  Bottom Layer w0.5: C5.2 53.069,71.642 53.394,71.317 53.394,71.068 54.356,70.106 U3.4
NetC6_2: C6.2 U3.13 | length 12
  Bottom Layer w0.5: U3.13 54.356,64.858 54.649,65.151 57.023,65.151 59.563,67.691 59.563,70.866 59.9,71.203 59.9,71.303 60.225,71.628 C6.2@60.325,71.628
NetJ1_A5: J1.A5 R1.2 | length 9.3
  Bottom Layer w0.254: R1.2 53.44,57.39 55.359,59.309 58.271,59.309 60.322,57.258 60.322,56.598 J1.A5@60.337,56.583
NetJ1_B5: J1.B5 R5.2 | length 5.2
  Bottom Layer w0.254: J1.B5 63.345,59.408 R5.2@64.643,60.706
  Bottom Layer w0.5: R5.2@64.643,60.706 R5.2
NetLED_1: LED.1 R7.2
NetMAX485_02: MAX485.02 R70.1 R71.2 U8.7 | length 11.7
  Bottom Layer w0.5: U8.7@33.851,64.262 36.672,64.262 36.965,63.969 36.965,57.302 36.672,57.009 R70.1
NetMAX485_03: MAX485.03 R69.1 R70.2 U8.6 | length 20.5
  Bottom Layer w0.5: U8.6 36.83,65.532 37.719,64.643 37.719,57.658 ; R70.2 35.631,54.934 37.426,54.934 37.719,55.227 37.719,57.658 ; R69.1@41.67,58.674 41.67,58.574 41.345,58.249 38.31,58.249 37.719,57.658
NetQ_1: Q.1 R20.2
NetR2_2: R2.2 U3.3 | length 2.7
  Bottom Layer w0.5: R2.2 55.566,71.575 55.566,69.06 U3.3
NetR3_2: R3.2 U3.2 | length 3.1
  Bottom Layer w0.5: U3.2 56.896,70.726 57.812,71.642 R3.2
NetR6_2: R6.2 U1.44 | length 3.1
  Bottom Layer w0.254: U1.44 41.403,90.168 41.403,88.137 v1(42.164,87.376)
NetR20_1: R20.1 U1.15 | length 16.4
  Bottom Layer w0.254: R20.1 39.116,108.839 42.418,105.537 42.418,105.029 42.39,105.001 U1.15
NetR66_1: R66.1 R67.1 U1.32 U8.2 U8.3 | length 38.8
  Top Layer w0.254: v1(33.059,93.623) 33.059,93.365 33.076,93.349 32.512,92.785 32.512,79.977 33.909,78.58 v1(33.909,70.104)
  Bottom Layer w0.254: v1(33.059,93.623) 33.064,93.619 36.452,93.619 U1.32
  Bottom Layer w0.5: v1(33.909,70.104) 34.558,70.104 39.13,65.532 U8.3 ; 39.555,64.897 41.656,64.897 41.783,64.77
  Bottom Layer w1: U8.2 39.555,64.897 U8.3
NRST: C6.1 C14.2 R4.1 SW1.2 U1.7 | length 95.9
  Top Layer w0.254: SW1.2 v1(30.988,70.866) ; v1(36.068,74.93) 36.131,74.867 36.131,71.056 v1(36.195,70.993) ; v1(46.736,93.853) 46.542,93.659 46.542,93.256 46.482,93.196 46.482,89.027 52.07,83.439 v1(64.008,83.439)
  Bottom Layer w0.254: v1(30.988,70.866) 33.234,70.866 33.488,71.12 36.068,71.12 v1(36.195,70.993) ; v1(36.068,74.93) 47.498,74.93 48.641,76.073 48.641,82.274 50.457,84.09 63.222,84.09 63.873,83.439 64.753,83.439 66.675,81.517 66.675,76.073 63.994,73.392 C6.1 ; U1.7 48.758,94.611 R4.1 47.484,94.601 v1(46.736,93.853)
R1: keypad.1 U1.22 | length 12.4
  Bottom Layer w0.254: keypad.1 29.991,100.965 31.007,101.981 37.592,101.981 38.89,100.683 U1.22
R2: keypad.2 U1.21 | length 13.9
  Bottom Layer w0.254: keypad.2 37.973,103.505 39.39,102.088 U1.21
R3: keypad.3 U1.20 | length 16.4
  Bottom Layer w0.254: keypad.3 37.465,106.045 39.89,103.62 U1.20
R4: keypad.4 U1.19 | length 18.5
  Bottom Layer w0.254: keypad.4 36.322,108.585 40.39,104.517 U1.19
RX: R65.1 U1.31 U8.1 | length 57.8
  Top Layer w0.254: v1(32.766,98.298) 32.766,98.277 32.004,97.515 32.004,93.225 32.058,93.171 32.058,66.827 v1(39.497,59.388)
  Bottom Layer w0.254: v1(32.766,98.298) 32.004,97.536 32.004,96.099 32.726,95.377 32.743,95.377 34.013,94.107 36.456,94.107 U1.31
  Bottom Layer w0.5: v1(39.497,59.388) 39.526,59.417 39.526,62.963 U8.1 39.555,61.283 39.912,60.926 R65.1@41.698,60.926
RXD: R2.1 U1.13 USART1.3 | length 68.2
  Top Layer w0.254: USART1.3 30.761,80.01 31.496,80.745 31.496,98.465 34.631,101.6 v1(44.831,101.6) ; v1(45.212,76.581) 54.591,76.581 v1(55.372,75.8)
  Bottom Layer w0.254: U1.13@43.403,98.562 43.403,99.918 44.831,101.346 v1(44.831,101.6)
  Bottom Layer w0.5: USART1.3 36.449,80.01 39.878,76.581 v1(45.212,76.581) ; v1(55.372,75.8) 55.435,75.737 55.435,73.455 R2.1
SCL: I2C.2 R9.1 U1.42 | length 42
  Top Layer w0.254: v1(57.785,86.868) 66.121,95.204 66.121,101.427 I2C.2@67.945,103.251
  Bottom Layer w0.254: 40.39,88.39 40.39,87.072 41.555,85.906 54.925,85.906 54.944,85.925 56.842,85.925 v1(57.785,86.868) ; 40.39,88.39 U1.42
SDA: I2C.3 R10.1 U1.43 | length 43.5
  Top Layer w0.254: v1(55.626,87.249) 65.151,96.774 65.151,105.41 65.532,105.791 I2C.3@67.945,105.791
  Bottom Layer w0.254: U1.43 40.89,87.394 41.148,87.136 41.148,86.955 41.743,86.36 54.737,86.36 v1(55.626,87.249)
SWCLK: Program.3 U1.37 | length 10.2
  Bottom Layer w0.254: Program.3 30.301,91.948 30.63,91.619 30.682,91.619 33.528,88.773 36.482,88.773 U1.37
SWDIO: Program.2 U1.34 | length 7.6
  Bottom Layer w0.254: Program.2 30.226,94.488 32.107,92.607 33.496,92.607 33.5,92.611 U1.34
TX: R68.1 U1.30 U8.4 | length 34
  Top Layer w0.254: v1(38.481,92.202) 38.481,87.035 37.211,85.765 37.211,72.517 v1(39.624,70.104)
  Bottom Layer w0.254: U1.30@35.822,94.578 37.375,94.578 38.481,93.472 v1(38.481,92.202)
  Bottom Layer w0.5: U8.4 39.59,66.837 39.59,68.195 ; v1(39.624,70.104) 39.59,70.07 39.59,68.195 ; R68.1 41.373,68.006 41.373,68.16 41.08,68.453 39.848,68.453 39.59,68.195
TXD: R3.1 U1.12 USART1.2 | length 74.8
  Top Layer w0.254: USART1.2 30.969,83.928 30.969,98.914 34.671,102.616 46.228,102.616 v1(46.736,102.108) ; v1(40.64,78.105) 43.18,75.565 51.141,75.565 52.045,74.661 56.754,74.661 v1(57.912,75.819)
  Bottom Layer w0.254: U1.12 46.609,98.9 46.609,101.981 v1(46.736,102.108)
  Bottom Layer w0.5: USART1.2 36.195,82.55 v1(40.64,78.105) ; R3.1 57.848,73.455 57.848,75.755 v1(57.912,75.819)
XI: C1.1 U3.7 Y2.2 | length 16.1
  Bottom Layer w0.254: U3.7 50.546,75.311 51.838,76.603 51.838,76.962 53.753,78.877 ; 51.826,78.877 53.753,78.877 ; 53.848,79.629 53.848,78.877 ; C1.1 54.497,78.877 53.848,78.877 ; 53.753,78.877 53.848,78.877
XO: C2.1 U3.8 Y2.1 | length 33.4
  Bottom Layer w0.254: U3.8 49.276,82.042 50.87,83.636 61.474,83.636 61.623,83.487 61.623,81.983 61.774,81.832 62.199,81.407 Y2.1 ; Y2.1@61.708,80.772 Y2.1@61.708,81.766 ; C2.1@61.835,77.841 61.835,79.756 Y2.1@61.835,80.772
pads on no net: J1.A8 J1.B8 U1.1 U1.2 U1.3 U1.4 U1.5 U1.6 U1.8 U1.10 U1.11 U1.14 U1.33 U3.9 U3.10 U3.11 U3.12 U3.14 U3.15
copper on no net: | length 5.9
  Bottom Layer w0.254: 44.82,96.111 45.931,96.111 47.371,97.551 47.371,99.546 47.431,99.606 47.431,100.009 v1(47.625,100.203)

## Polygon pours and split planes (outlines as drawn)
GND on Bottom Layer "GND_L02_P004" (solid, remove dead copper, pour order 4): 25.527,118.11 25.527,49.403 90.932,49.403 90.932,83.312 71.247,83.312 71.247,118.11
GND on Top Layer "GND_L01_P003" (solid, remove dead copper, pour order 3): 25.527,118.11 25.527,49.403 90.932,49.403 90.932,83.312 71.247,83.312 71.247,118.11

## Keep-outs
Keep-Out Layer:
  lines w0.254: 25.527,48.768 90.932,48.768 90.932,83.312 71.247,83.312 71.247,118.11 25.527,118.11 25.527,48.768 ; 73.025,84.074 73.025,118.618 138.43,118.618 138.43,49.276 92.71,49.276 92.71,84.074 73.025,84.074

## Other copper
Top Layer:
  rectangle net 3v3: 54.229,89.354 55.88,97.028
  rectangle net NetLED_1: 41.91,52.451 44.831,53.467
  rectangle net Net3v3_1: 54.318,98.044 58.166,98.941
  rectangle net NetC3_1: 48.768,93.599 53.721,94.996
  region net NetC3_1: 50.066,94.923 48.669,94.923 48.669,90.986 50.066,90.986
  region net 3v3: 44.323,98.679 38.481,98.679 38.481,97.282 44.323,97.282
  region net 3v3: 55.88,97.028 42.291,97.028 42.291,95.939 55.88,95.939
Bottom Layer:
  rectangle net 3v3: 61.468,100.711 62.611,106.426
  rectangle net SCL: 63.246,102.362 68.834,104.14
  rectangle net SDA: 63.246,105.156 69.088,106.426
  rectangle net NetQ_1: 38.481,114.808 41.529,116.078
  rectangle net NetBuzzer_N: 41.91,110.871 46.482,113.919
  rectangle net NetC3_1: 42.926,55.753 43.942,72.263
  rectangle net INC: 84.582,77.597 87.376,82.296
  rectangle net INC: 81.28,80.899 87.376,82.296
  rectangle net 3v3: 47.879,89.535 50.165,93.472
  rectangle net 3v3: 43.434,89.535 55.88,90.678
  rectangle net NRST: 48.133,93.98 49.53,97.155
  rectangle net NetR66_1: 41.021,62.611 42.418,66.04
  rectangle net XI: 51.054,76.835 55.499,81.661
  rectangle net XO: 61.087,76.835 65.659,81.788
  rectangle net NetMAX485_02: 28.575,56.515 36.068,58.166
  rectangle net NetMAX485_03: 31.242,53.975 36.068,55.753
  rectangle net NetC3_1: 30.988,58.674 34.671,63.246

## Silkscreen, mask and mechanical layers (free items; w line width, h text height)
Top Overlay:
  lines w0.254: 37.973,90.17 37.973,100.457 60.198,100.457 60.198,90.17 37.973,90.17
  text "3.3V-DC" at 54.471,91.963 h1.52 r180
  text "Reset" at 27.701,72.155 h1.52 r90
  text "+5V" at 27.701,61.006 h1.52 r90
  text "B" at 27.701,57.8 h1.52 r90
  text "A" at 27.701,55.499 h1.52 r90
  text "GND" at 27.701,53.629 h1.52 r90
Bottom Overlay:
  lines w0.254: 25.781,49.784 47.752,49.784 47.752,68.707 25.781,68.707 25.781,49.784 ; 48.514,49.911 68.58,49.911 68.58,84.963 48.514,84.963 48.514,49.911
  text "2025" at 35.029,116.671 h1.52 r180
  text "tamana.amraji@gmail.com" at 69.213,116.037 h1.52 r180
  text "C3" at 26.491,115.294 h1.52 r270
  text "Tamana Amraji" at 69.342,114.405 h1.52 r180
  text "C2" at 26.491,112.627 h1.52 r270
  text "GND" at 70.678,110.159 h1.52 r90
  text "C1" at 26.491,109.96 h1.52 r270
  text "R4" at 26.491,107.293 h1.52 r270
  text "SDA" at 70.678,107.076 h1.52 r90
  text "R3" at 26.491,104.88 h1.52 r270
  text "SCL" at 70.678,104.016 h1.52 r90
  text "R2" at 26.491,102.34 h1.52 r270
  text "3v3" at 70.678,101.031 h1.52 r90
  text "R1" at 26.491,99.927 h1.52 r270
  text "3v3" at 26.491,96.454 h1.52 r270
  text "DIO" at 26.491,93.392 h1.52 r270
  text "CLK" at 26.491,90.328 h1.52 r270
  text "GND" at 26.491,87.161 h1.52 r270
  text "3v3" at 26.491,84.097 h1.52 r270
  text "TX" at 26.491,81.423 h1.52 r270
  text "RX" at 26.491,78.556 h1.52 r270
  text "GND" at 26.491,75.261 h1.52 r270
  text "MAX485" at 32.083,68.214 h1.52 r180
  text "CH340G" at 54.439,52.085 h1.52 r180

## Text inside footprints (layer, text, board x,y; h text height)
Buzzer: Top Overlay "+" at 56.931,111.823 h1.27 r180; Top Overlay "-" at 42.668,111.823 h1.27 r180
C3: Top Overlay "+" at 65.004,64.544 h2 r270
J1: Mechanical 13 "PCB EDGE" at 69.088,49.53 h1.02